# Altium PCB MB1261.PcbDoc (part 5 of 6)
Units mil, origin at the board's own origin, x right, y up, seen from the top; angles counter-clockwise.
Board outline 5119.1 x 2638.79 mil, 6 copper layers (TOP, L2_GND, L3_SIG, L4_VCC, L5_GND, BOTTOM), stack 61 mil thick; 336 components, 316 nets, 1358 pads, 871 vias.
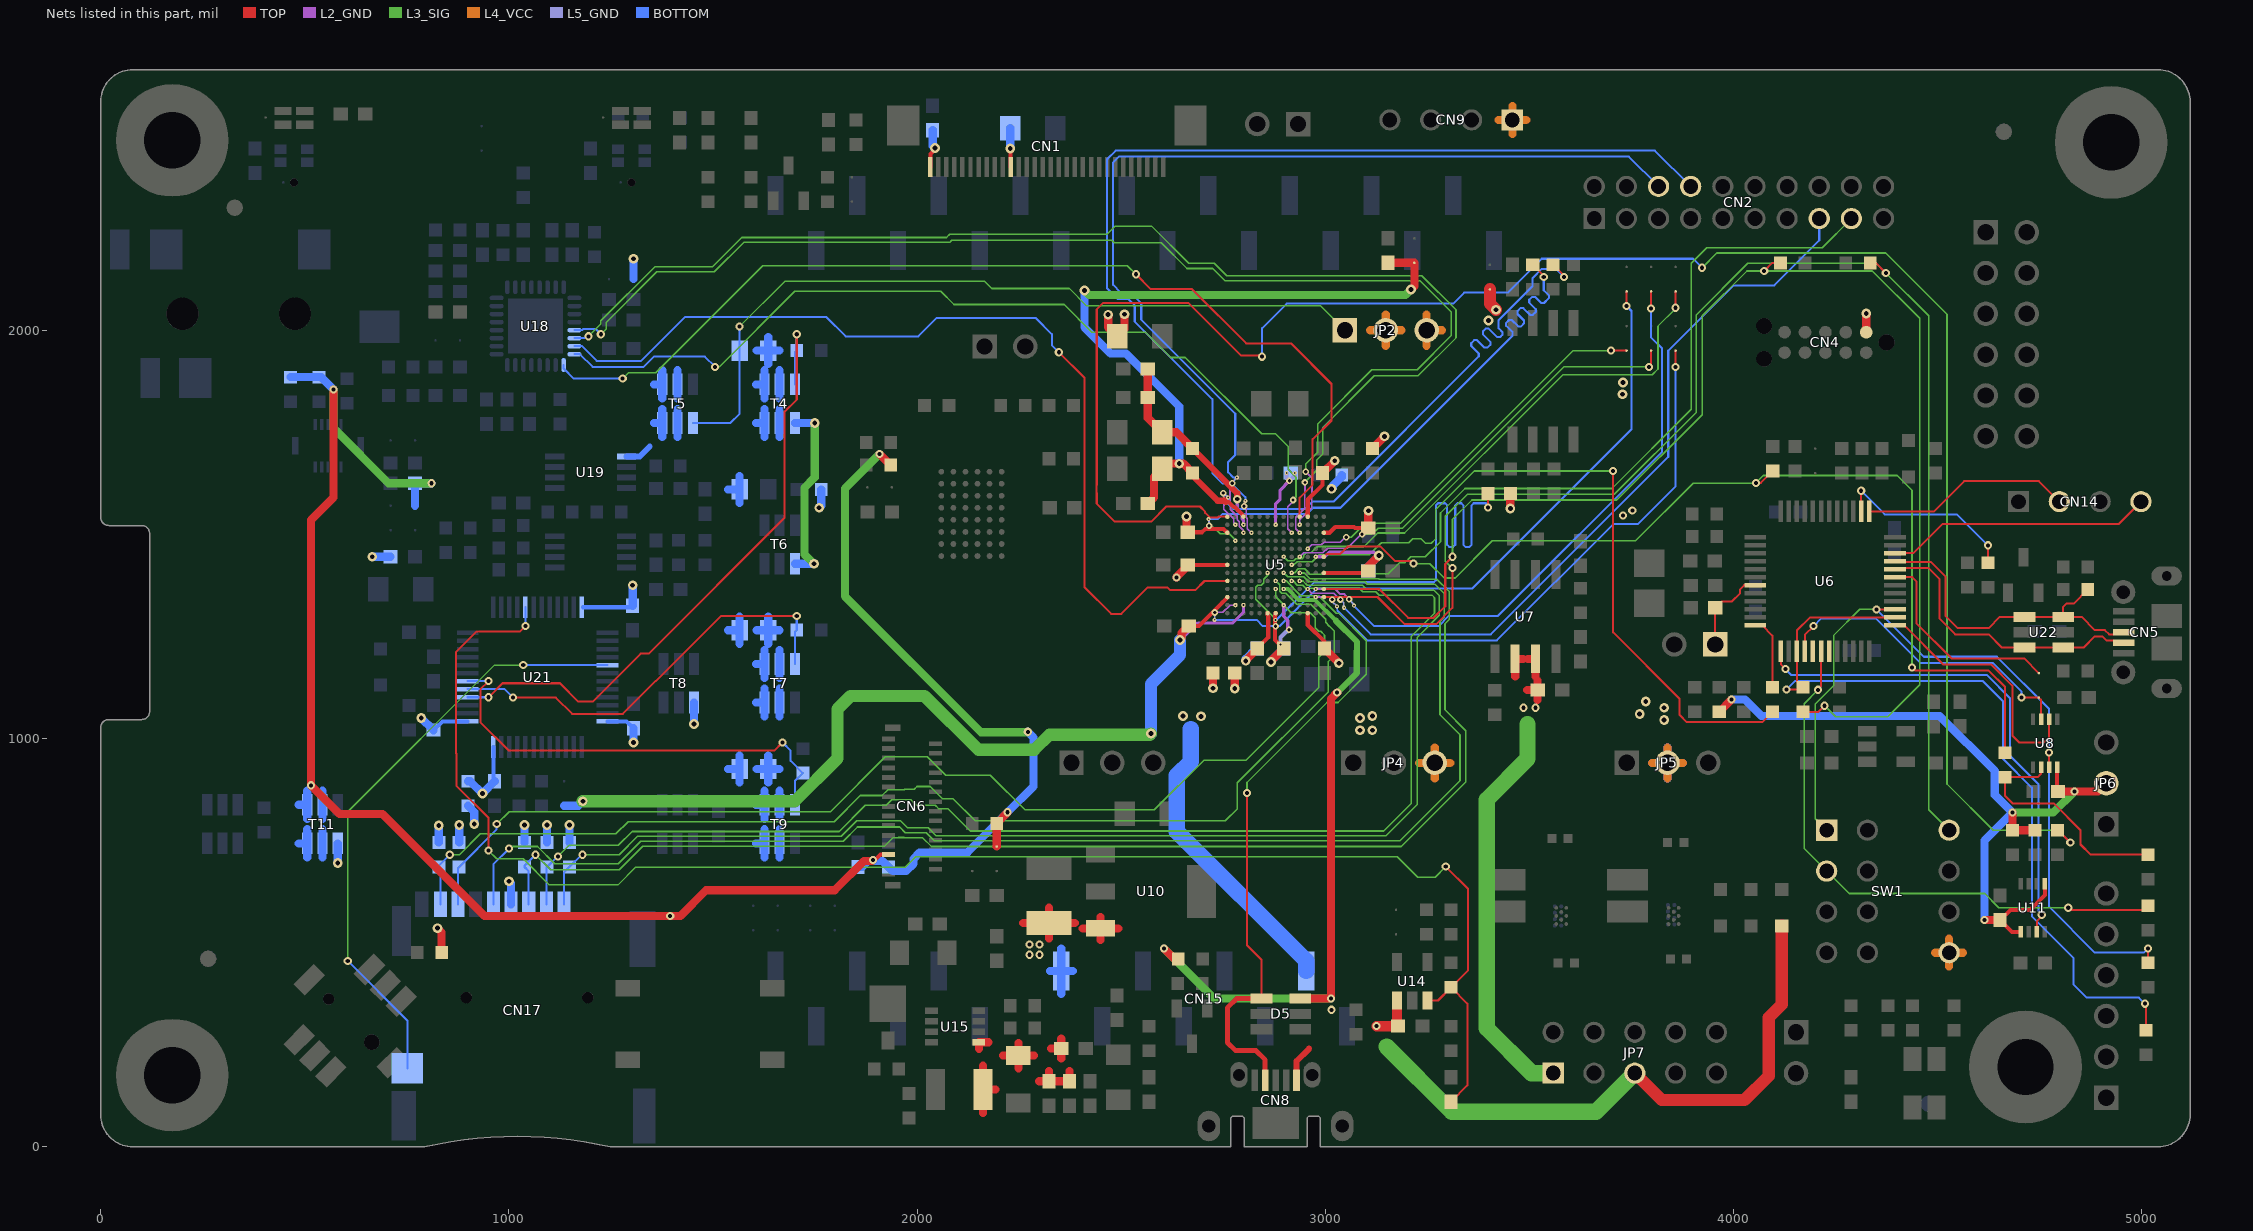
[diagram p9: the nets of this part, all layers, seen from the top]

## Via types
v1: diameter 20, hole 10, TOP to BOTTOM, tented both sides, 317 vias
v2: diameter 24, hole 12, TOP to BOTTOM, tented both sides, 289 vias
v3: diameter 10, hole 4, TOP to L2_GND, tented both sides, 76 vias
v4: diameter 10, hole 4, TOP to L3_SIG, tented both sides, 63 vias
v5: diameter 16, hole 8, L2_GND to L5_GND, tented both sides, 52 vias
v6: diameter 16, hole 8, TOP to BOTTOM, tented both sides, 43 vias
v7: diameter 10, hole 4, L5_GND to BOTTOM, tented both sides, 31 vias

## Nets (pads, with @x,y where several pads share a name; then routed paths per layer and width w, separated by ;. In a path a pad name is that pad's centre, name@x,y a point inside that pad or via, vN(x,y) a via of type N, cw(c..) or ccw(c..) an arc to the next point about the centre after c; other vN are vias at no path point) (continued)
QSPI_BK1_IO3: R6.1 U5.M4 | length 1413.1
  TOP w5: R6.1@3508.1,2160 3535,2133.1 v1(3535,2130)
  L3_SIG w3.5: v5@2721.83,1517.73 2725.27,1517.73 2742,1501 2765,1501 2779.67,1486.33 v4(2779.67,1484.06)
  L3_SIG w4: v5(2715,1521) 2718.56,1521 v5@2721.83,1517.73
  L5_GND w5: v7(2714,1537) 2715,1536 v5(2715,1521)
  BOTTOM w5: v7(2714,1537) 2736,1537 2748.95,1549.95 2955,1549.95 2970.05,1565 3037,1565 3459,1987 3459,1994.74 3442.91,2010.83 3442.91,2017.91 3449.98,2024.98 3457.06,2024.98 3472.48,2009.56 3479.56,2009.56 3486.63,2016.63 3486.63,2023.71 3470.71,2039.63 3470.71,2046.71 3477.78,2053.78 3484.86,2053.78 3501.28,2037.36 3508.36,2037.36 3515.43,2044.43 3515.43,2051.51 3499.51,2067.43 3499.51,2074.51 3506.58,2081.58 3513.66,2081.58 3528.58,2066.66 3535.66,2066.66 3547.35,2078.35 3547.35,2085.43 3535,2097.78 v1(3535,2130)
QSPI_BK1_NCS: R26.1 U5.H8 | length 1374.3
  TOP w5: v1(3398.1,1566) R26.1@3398.1,1600
  L3_SIG w3.5: v4(2858.41,1405.31) 2858.41,1399.42 2848.48,1389.49 2848.48,1381.4 2842.77,1375.69 2834.69,1375.69 2828.98,1369.98 2828.98,1361.9 2829,1341.01 2877.95,1292.06 v5(2877.95,1275)
  L5_GND w3.5: v5(2877.95,1275) v7(2877.95,1290)
  BOTTOM w5: v7(2877.95,1290) 2880,1290 2972.49,1382.49 3266,1382.49 3271,1387.49 3271,1571 3276,1576 3293.18,1576 3298.18,1571 3298.18,1474 3303.18,1469 3313.18,1469 3318.18,1474 3318.18,1571 3323.18,1576 3333.18,1576 3338.18,1571 3338.18,1474 3343.18,1469 3353.18,1469 3358.18,1474 3358.18,1571 3363.18,1576 3393.1,1576 3398.1,1571 v1(3398.1,1566)
QSPI_CLK: R7.1 U5.M2 | length 1411.5
  TOP w5: R7.1@3558.1,2160 3585,2133.1 v1(3585,2130)
  L2_GND w3.5: 2751.67,1570 2751.67,1561.33 2775,1538 2775,1528.1 v3(2779.67,1523.43)
  L2_GND w5: v5(2750,1600.87) 2751.67,1599.2 2751.67,1570
  L5_GND w5: v5(2750,1600.87) 2751.1,1600.87 v7(2761.83,1590.14)
  BOTTOM w5: v7(2761.83,1590.14) 2761.83,1574.17 2774,1562 2950,1562 2968,1580 3020,1580 3375.8,1935.8 3375.8,1942.88 3357.38,1961.3 3357.38,1968.38 3364.45,1975.45 3371.53,1975.45 3389.95,1957.03 3397.03,1957.03 3404.1,1964.1 3404.1,1971.18 3385.68,1989.6 3385.68,1996.68 3392.75,2003.75 3399.83,2003.75 3420.75,1982.83 3427.83,1982.83 3433.46,1988.46 3433.46,1995.54 3424.5,2004.5 3424.5,2025 3507.5,2108 3507.5,2127.5 3530,2150 3565,2150 v1(3585,2130)
SAI1_FSA: U5.D1 U18.1 | length 2492
  TOP w5: v1(2536,2137) 2572.5,2100.5 2673.22,2100.5 2806.22,1967.5 2915.75,1967.5 3015,1868.25 3015,1778.78 2969,1732.78 2969,1621.75 2937.16,1589.91 U5.D1@2937.16,1543.11
  L3_SIG w4: v1(1278.64,1881.36) 1292.89,1895.61 1359.39,1895.61 1621.78,2158 2515,2158 v1(2536,2137)
  BOTTOM w5: U18.1@1133.9,1914.72 1133.9,1906.1 1158.64,1881.36 v1(1278.64,1881.36)
SAI1_MCKA: U5.D3 U18.30 | length 3138.6
  L2_GND w3.5: v3(2937.16,1503.74) 2927.41,1513.49 2927.41,1541.41 2950,1564 2950,1606.9
  L2_GND w5: 2950,1606.9 v5(2950,1627)
  L3_SIG w4: v1(1195,1985) 1225,2015 1225,2023.02 1356.98,2155 1498.02,2155 1570.02,2227 2072,2227 2080,2235 2465,2235 2485,2255 2573.98,2255 2664.98,2164 2728.02,2164 2758.52,2133.5 3236.5,2133.5 3320,2050 3320,1981 3227,1888 3120,1888 2994,1762 2994,1697 2979,1682 2979,1656.82 2953,1630.82 2953,1630 v5(2950,1627)
  BOTTOM w5: U18.30@1160.28,1980.47 1184.53,1980.47 1189.06,1985 v1(1195,1985)
SAI1_SCKA: U5.N9 U18.31 | length 2353
  TOP w5: v1(2347,1946) 2410,1883 2410,1633.25 2409.5,1632.75 2409.5,1589.25 2410,1588.75 2410,1370 2475,1305 2500,1305 2565,1370 2613,1370 2619.75,1363.25 2681.58,1363.25 2703.96,1385.63 U5.N9@2759.99,1385.63
  BOTTOM w5: U18.31@1160.28,1960.79 1179.21,1960.79 1215,1925 1323.78,1925 1430.78,2032 1778,2032 1825,1985 2003,1985 2048,2030 2290,2030 2330,1990 2330,1963 v1(2347,1946)
SAI1_SDA: U5.E3 U18.32 | length 2247.9
  L2_GND w3.5: v3(2917.47,1503.74) 2907.72,1513.49 2907.72,1568.03 2921,1581.31 v5(2921,1584)
  L3_SIG w4: v1(1505,1910) 1515,1910 1700,2095 2058.02,2095 2090.02,2063 2360.04,2063 2428.04,1995 2559.16,1995 2621.16,1933 2656.96,1933 2843.96,1746 2878,1746 2909,1715 2909,1659 2928,1640 2928,1591 v5(2921,1584)
  BOTTOM w5: U18.32@1160.28,1941.1 1173.9,1941.1 1205,1910 1330,1910 1355,1935 1480,1935 v1(1505,1910)
SAI1_SDB: U5.D2 U18.29 | length 3084
  L2_GND w3.5: v3(2937.16,1523.43) 2937.16,1535 2967,1564.84 2967,1595.4
  L2_GND w5: v5(2952,1653) 2967,1638 2967,1595.4
  L3_SIG w4: v1(1225,1990) 1238,2003 1238,2019.04 1361.96,2143 1503,2143 1575,2215 2080,2215 2085,2220 2477,2220 2483,2214 2598,2214 2661,2151 2724,2151 2753.5,2121.5 3231.52,2121.5 3308,2045.02 3308,1985.98 3225.02,1903 3114,1903 2981,1770 2981,1700.98 2952,1671.98 v5(2952,1653)
  BOTTOM w5: U18.29@1160.28,2000.16 1180,2000.16 1182.68,2002.84 1212.16,2002.84 v1(1225,1990)
SH0: R84.2 T4.3 U21.4 | length 1582.5
  TOP w5: v1(950,1100.79) 984.21,1135 1125,1135 1170,1090 1205.01,1090 1322.68,1207.67 1342.67,1207.67 1675,1540 1675,1800 1705,1830 v1(1705,1990)
  BOTTOM w5: U21.4@898.74,1100.79 v1(950,1100.79) ; T4.3@1700.5,1867.24 1700.5,1945.5 R84.2@1705,1950 v1(1705,1990)
SH0_D: R85.2 T4.1 T4.2 T4.5 T4.6 | length 439.3
  BOTTOM w20: 1605.18,1772.76 T4.6@1625.7,1772.76 ; 1605.18,1867.24 T4.1@1625.7,1867.24 ; 1606.98,1950 R85.2@1635,1950 ; 1625.7,1738.24 T4.6@1625.7,1772.76 ; 1625.7,1807.28 T4.6@1625.7,1772.76 ; 1625.7,1832.72 T4.1@1625.7,1867.24 ; 1625.7,1901.76 T4.1@1625.7,1867.24 ; 1635,1916.98 R85.2@1635,1950 ; 1635,1983.02 R85.2@1635,1950 ; 1663.02,1950 R85.2@1635,1950 ; 1663.1,1738.24 T4.5@1663.1,1772.76 1663.1,1807.28 ; 1663.1,1832.72 T4.2@1663.1,1867.24 1663.1,1901.76
SH1: R106.2 T7.3 U21.5 | length 1050.3
  TOP w5: v1(1010,1100) 1115,1100 1155,1060 1278.78,1060 1358.78,1140 1360,1140 1520,1300 v1(1705,1300)
  BOTTOM w5: U21.5@898.74,1120.47 989.53,1120.47 v1(1010,1100) ; T7.3@1700.5,1182.24 1700.5,1260.5 R106.2@1705,1265 v1(1705,1300)
SH1_D: R107.2 T7.1 T7.2 T7.5 T7.6 | length 439.3
  BOTTOM w20: 1605.18,1087.76 T7.6@1625.7,1087.76 ; 1605.18,1182.24 T7.1@1625.7,1182.24 ; 1606.98,1265 R107.2@1635,1265 ; 1625.7,1053.24 T7.6@1625.7,1087.76 ; 1625.7,1122.28 T7.6@1625.7,1087.76 ; 1625.7,1147.72 T7.1@1625.7,1182.24 ; 1625.7,1216.76 T7.1@1625.7,1182.24 ; 1635,1231.98 R107.2@1635,1265 ; 1635,1298.02 R107.2@1635,1265 ; 1663.02,1265 R107.2@1635,1265 ; 1663.1,1053.24 T7.5@1663.1,1087.76 1663.1,1122.28 ; 1663.1,1147.72 T7.2@1663.1,1182.24 1663.1,1216.76
SH2: R110.2 T9.3 U21.6 | length 1118.5
  TOP w5: v1(950,1140.16) 930,1120.16 930,1040 1000,970 1650,970 v1(1670,990)
  BOTTOM w5: U21.6@898.74,1140.16 v1(950,1140.16) ; v1(1670,990) 1690,970 1690,945 R110.2@1720,915 1700.5,895.5 T9.3@1700.5,837.24
SH2_D: R111.2 T9.1 T9.2 T9.5 T9.6 | length 439.3
  BOTTOM w20: 1605.18,742.76 T9.6@1625.7,742.76 ; 1605.18,837.24 T9.1@1625.7,837.24 ; 1606.98,925 R111.2@1635,925 ; 1625.7,708.24 T9.6@1625.7,742.76 ; 1625.7,777.28 T9.6@1625.7,742.76 ; 1625.7,802.72 T9.1@1625.7,837.24 ; 1625.7,871.76 T9.1@1625.7,837.24 ; 1635,891.98 R111.2@1635,925 ; 1635,958.02 R111.2@1635,925 ; 1663.02,925 R111.2@1635,925 ; 1663.1,708.24 T9.5@1663.1,742.76 1663.1,777.28 ; 1663.1,802.72 T9.2@1663.1,837.24 1663.1,871.76
SPI2_CLK: SB9.1 U5.B11 | length 1422.9
  TOP w5: v1(3858.1,1910) SB9.1@3858.1,1950
  L2_GND w4: v3(2976.53,1346.26) 3007.74,1346.26 3014,1340 v5(3017,1340)
  L5_GND w3.5: v5(3017,1340) 3017,1334.88 v7(3028.63,1323.25)
  BOTTOM w3.5: v7(3028.63,1323.25) 3028.63,1313.37 3030,1312
  BOTTOM w5: 3030,1312 3102,1240 3420,1240 3705,1525 3765,1525 3858.1,1618.1 v1(3858.1,1910)
SPI2_MISO: SB5.1 U5.B10 | length 1469.8
  TOP w5: v1(3798.1,2053.1) SB5.1@3798.1,2095
  L2_GND w4: v3(2976.69,1366) 3022,1366
  L2_GND w5: 3022,1366 3024,1366 3036.5,1353.5 3046.5,1353.5 3058,1342 v5(3058,1341)
  L5_GND w3.5: v5(3058,1341) 3070,1329 v7(3070,1325.2)
  BOTTOM w5: v7(3070,1325.2) 3120.2,1275 3277.75,1275 3302.75,1300 3423,1300 3825,1702 3825,1955 3798.1,1981.9 v1(3798.1,2053.1)
SPI2_MISOS: CN2.9 U5.E8 | length 1992.1
  L3_SIG w3.5: v4(2917.47,1405.31) 2924.43,1405.31 2934.18,1415.06 2949.33,1415.06 2962.14,1402.25 3087.38,1402.25 3088.13,1403 3132,1403
  L3_SIG w4: 3132,1403 3153.94,1403 3181.94,1431 3195.15,1431 3209.15,1445 3245,1445 3282,1482 3282,1552 3342,1612 3702,1612 3896,1806 3896,2164 3934,2202 4217.27,2202 CN2.9@4288.69,2273.42
SPI2_MOSI: SB4.1 U5.M12 | length 1646.4
  TOP w5: v1(3738.1,2058.9) SB4.1@3738.1,2095
  L2_GND w3.5: v5@2730,1308.4 2748.4,1308.4 2766.57,1326.57 v3(2779.67,1326.57)
  L2_GND w5: v5(2728.9,1308.4) v5@2730,1308.4
  L5_GND w3.5: v7(2728.9,1290.4) v5(2728.9,1308.4)
  BOTTOM w5: v7(2728.9,1290.4) 2831.6,1290.4 2847,1275 2887.73,1275 2980.22,1367.49 3360.49,1367.49 3750,1757 3750,2047 v1(3738.1,2058.9)
SPI2_MOSIS: CN2.8 U5.C10 | length 1911.1
  L2_GND w3.5: v3(2956.84,1365.94) 2957.06,1365.94 2966.94,1356.06 3020.94,1356.06 v5(3037,1340)
  L5_GND w3.5: v5(3037,1340) 3045,1332 3045,1325.2
  L5_GND w5: 3045,1325.2 3045,1321.1 v7(3046.06,1320.04)
  BOTTOM w5: v7(3046.06,1320.04) 3111.1,1255 3405.37,1255 3840,1689.63 3840,1950 4000,2110 4100,2110 4209.95,2219.95 CN2.8@4209.95,2273.42
STL_USB_DM: CN5.2 U6.32 U22.1 U22.6 | length 716.4
  TOP w4.8: U6.32@4395.36,1414.53 4418.66,1414.53 4421,1416.87 4477.91,1416.87 4504,1390.78 4504,1293.78 4542.78,1255 4625,1255 4657.4,1222.6 U22.6@4712.76,1222.6 U22.1@4807.24,1222.6 4857.6,1222.6 4885,1250 4903.48,1250 4913.78,1239.7 4929.71,1239.7 4935,1234.41 CN5.2@4955.7,1234.41
STL_USB_DP: CN5.3 R37.2 U6.33 U22.3 U22.4 | length 819.8
  TOP w4.8: U6.33@4395.36,1434.21 4418.66,1434.21 4421,1431.87 4484.13,1431.87 4519,1397 4519,1300 4549,1270 4625,1270 4652.4,1297.4 U22.4@4712.76,1297.4 U22.3@4807.24,1297.4 ; R37.2@4868.1,1365 4833.1,1330 4815,1330 4807.24,1322.24 U22.3@4807.24,1297.4 ; CN5.3@4955.7,1260 4935.3,1260 4930,1254.7 4920,1254.7 4909.7,1265 4885,1265 4852.6,1297.4 U22.3@4807.24,1297.4
STLINK_RX: U6.13 U11.7 | length 1238.1
  TOP w5: U6.13@4115.83,1213.74 4115.83,1181.17 v1(4127,1170) ; U11.7@4742.94,525.94 4742.94,551.94 4755,564 v1(4755,568)
  BOTTOM w5: v1(4127,1170) 4142,1155 4621,1155 4677,1099 4677,958 4747,888 4747,578 4755,570 v1(4755,568)
STLINK_TX: R46.1 U6.12 | length 179.2
  TOP w5: U6.12@4052.84,1276.73 4070,1276.73 4095,1251.73 R46.1@4095,1125
STM_JTCK: CN14.2 U6.37 | length 517
  TOP w5: U6.37@4332.37,1556.26 4491.26,1556.26 4565,1630 4748.1,1630 CN14.2@4798.1,1580
STM_JTMS: CN14.4 U6.34 | length 655
  TOP w5: U6.34@4395.36,1453.9 4440.45,1453.9 4511.55,1525 4943.1,1525 CN14.4@4998.1,1580
STM_RST: C24.1 JP10.1 U6.7 | length 216
  TOP w5: JP10.1@3955,1230 C24.1@3955,1320 3970,1335 3995.05,1335 4016,1355.95 4016,1365 4026.16,1375.16 U6.7@4052.84,1375.16
STMOD+_ADC: CN2.13 U5.L3 | length 2458.8
  L2_GND w3.5: 2766.67,1570 2766.67,1561.33 2784.16,1543.84 2784.16,1535.84 2789.61,1530.39 2789.61,1519.39 2799.36,1509.64 v3(2799.36,1503.75)
  L2_GND w5: 2766.67,1570 2766.67,1618.45 2771.5,1623.28 2771.5,1624.5 v5(2772,1625)
  L5_GND w5: v5(2772,1625) 2772,1627.81 v7(2783.25,1639.06)
  BOTTOM w5: v7(2783.25,1639.06) 2774.72,1639.06 2762,1651.78 2762,1677 2779.26,1694.26 2779.26,1795.74 2549,2026 2549,2066 2522,2093 2498,2093 2480,2111 2480,2411 2494,2425 3743.41,2425 CN2.13@3816.25,2352.16
STMOD+_PWM: CN2.14 U5.K3 | length 2567.5
  L2_GND w3.5: v5(2800.79,1568.34) 2806,1563.13 2806,1541.58 2809.11,1538.47 2809.11,1513.67 v3(2819.04,1503.74)
  L5_GND w3.5: v5(2800.79,1568.34) 2800.79,1578.79 v7(2804,1582)
  BOTTOM w5: v7(2804,1582) 2804,1591 2770.94,1624.06 2749,1624.06 2723,1650.06 2723,1830.78 2533,2020.78 2533,2060.78 2517.78,2076 2492,2076 2465,2103 2465,2418.78 2486.22,2440 3807.15,2440 CN2.14@3894.99,2352.16
SWCLK: R4.2 R47.1 U5.A10 | length 3427.3
  TOP w5: U5.A10@2996.21,1365.94 3132.06,1365.94 3203,1295 3265,1295 3293.7,1323.7 3293.7,1427.26 v1(3311.47,1445.03) ; v1(4075,2145) 4095,2165 R4.2@4115,2165 ; R47.1@4170,1065 4208.1,1065 v1(4223.1,1080)
  L3_SIG w4: v1(3311.47,1445.03) 3311.47,1536.47 3359,1584 3714,1584 3923,1793 3923,2035.02 4032.98,2145 v1(4075,2145) 4340,2145 4456,2029 4456,1131 4378,1053 4250.1,1053 v1(4223.1,1080)
SWDIO: R5.2 SW1.8 U5.A11 | length 3553.5
  TOP w5: U5.A11@2996.21,1346.26 3127.74,1346.26 3194,1280 3271.22,1280 3311.2,1319.98 v1(3311.2,1417) ; R5.2@4335,2165 4348,2165 v1(4373,2140)
  L3_SIG w4: v1(3311.2,1417) 3294,1434.2 3294,1544 3348,1598 3708,1598 3909,1799 3909,2038 4035,2164 4349,2164 v1(4373,2140) 4478,2035 4478,825.1 SW1.8@4528.1,775
SWO: R16.2 R51.1 U5.A6 | length 2498.4
  TOP w5: U5.A6@2996.21,1444.69 3003.52,1452 3037,1452 3055.5,1470.5 3134.75,1470.5 3171.25,1434 3210.2,1434 v1(3216.2,1428) ; v1(4055,1626) 4067,1626 R16.2@4096,1655 ; v1(4437,1174) 4445,1166 4625,1166 4665,1126 R51.1@4665,965
  L3_SIG w4: v1(3216.2,1428) 3256,1428 3291,1393 3318,1393 3409,1484 3760,1484 3901,1625 4054,1625 v1(4055,1626) 4073,1644 4401,1644 4437,1608 v1(4437,1174)
SWO_MCU: R51.2 R56.2 U8.6 | length 583.5
  TOP w5: U8.6@4753.26,928.94 4753.26,913.26 4745,905 R51.2@4665,905 4665,859 4683.4,840.6 4784.4,840.6 4850,775 4850,740 4875,715 R56.2@5015,715
T50_4: JP2.1 R85.1 T5.4 | length 1916.5
  L3_SIG w4: v1(1565,2009) 1676,2120 2165,2120 2183,2102 2373,2102 2415,2060 2988.1,2060 JP2.1@3048.1,2000
  BOTTOM w5: T5.4@1450.5,1772.76 1542.76,1772.76 1565,1795 R85.1@1565,1950 v1(1565,2009)
T50_6: R95.1 R107.1 R111.1 T5.1 T5.2 T5.5 T5.6 U19.5 | length 666.6
  BOTTOM w14: U19.5@1287.99,1690.29 1320.29,1690.29 1345,1715
  BOTTOM w20: 1355.18,1772.76 T5.6@1375.7,1772.76 ; 1355.18,1867.24 T5.1@1375.7,1867.24 ; 1375.7,1738.24 T5.6@1375.7,1772.76 ; 1375.7,1807.28 T5.6@1375.7,1772.76 ; 1375.7,1832.72 T5.1@1375.7,1867.24 ; 1375.7,1901.76 T5.1@1375.7,1867.24 ; 1413.1,1738.24 T5.5@1413.1,1772.76 1413.1,1807.28 ; 1413.1,1832.72 T5.2@1413.1,1867.24 1413.1,1901.76 ; 1536.98,925 R111.1@1565,925 ; 1536.98,1265 R107.1@1565,1265 ; 1536.98,1610 R95.1@1565,1610 ; 1565,891.98 R111.1@1565,925 ; 1565,958.02 R111.1@1565,925 ; 1565,1231.98 R107.1@1565,1265 ; 1565,1298.02 R107.1@1565,1265 ; 1565,1576.98 R95.1@1565,1610 ; 1565,1643.02 R95.1@1565,1610
T_JRST: U6.19
T_JTCK: R47.2 R66.2 U6.15 U6.26 | length 2025.4
  TOP w5: v1(4130,1120) 4165,1120 R47.2@4170,1125 4155.2,1139.8 U6.15@4155.2,1213.74 4155.2,1264.2 4187.42,1296.42 U6.26@4395.36,1296.42 ; v1(5008,350) 5010,348 R66.2@5010,285
  BOTTOM w5: v1(4130,1120) 4150,1140 4611,1140 4660,1091 4660,950 4731,879 4731,564 4832.5,462.5 4832.5,397.5 4865,365 4993,365 v1(5008,350)
T_JTDI: U6.17
T_JTDO: SB13.2 U6.16 U8.3 | length 774.2
  TOP w5: U6.16@4174.89,1213.74 4174.89,1253.89 v1(4196,1275) ; v1(4705,1100) SB13.2@4748.1,1100 4753.26,1094.84 U8.3@4753.26,1047.06
  BOTTOM w5: v1(4196,1275) 4215,1294 4348,1294 4457,1185 4635,1185 4705,1115 v1(4705,1100)
T_JTMS: R63.2 SW1.1 U6.27 U8.7 | length 2057
  TOP w5: v1(4350,1316.1) U6.27@4395.36,1316.1 ; U8.7@4772.94,928.94 v1(4772.94,965) ; R63.2@5015,450 v1(5015,485)
  L3_SIG w4: SW1.1@4228.1,775 4200,803.1 4200,1084 4245,1129 4245,1252.2 4308.9,1316.1 v1(4350,1316.1)
  BOTTOM w5: v1(4350,1316.1) 4466.1,1200 4645,1200 4772.94,1072.06 v1(4772.94,965) 4772.94,587.06 4885,475 5005,475 v1(5015,485)
T_NRST: R59.2 SW1.2 U6.18 | length 1409
  TOP w5: v1(4207,1119) 4207,1121 4214.26,1128.26 U6.18@4214.26,1213.74 ; v1(4820,585) 4825,580 5005,580 R59.2@5015,590
  L3_SIG w4: v1(4207,1119) 4173,1085 4173,730.1 SW1.2@4228.1,675 4283.1,620 4615,620 4650,585 v1(4820,585)
T_SWDIO_IN: U6.25 U8.2 | length 617.4
  TOP w5: U6.25@4395.36,1276.73 4418.27,1276.73 4514,1181 4631.22,1181 4683,1129.22 4683,1007 4700,990 4760,990 4772.94,1002.94 U8.2@4772.94,1047.06
T_SWO: SB13.1 U6.31 | length 510.2
  TOP w5: U6.31@4395.36,1394.84 4437.97,1394.84 4448,1384.81 4448,1282 4534,1196 4712.1,1196 SB13.1@4748.1,1160
U5V_ST_LINK: C29.2 JP7.1 U7.6 U7.7 | length 1192.7
  TOP w20: 3465,1151.78 U7.6@3465,1194.8 3484.02,1194.8 ; 3494.48,1118.1 C29.2@3520,1118.1 ; 3495.98,1194.8 U7.7@3515,1194.8 3515,1151.78 ; 3520,1094.08 C29.2@3520,1118.1 ; 3520,1142.12 C29.2@3520,1118.1
  L3_SIG w40: 3495,1035 3495,950 3395,850 3395,290 3505,180 JP7.1@3558.1,180
  other v1: 3485,1075 3515,1075
UART1_RTS: SB6.1 U5.F6 | length 1326.4
  TOP w5: v1(3858.1,2055) SB6.1@3858.1,2095
  L3_SIG w3.5: v4(2897.79,1444.69) 2907.54,1434.94 2922.23,1434.94 2927.79,1440.5 2943.25,1440.5 2947.09,1444.34 2947.09,1448.73 2952.8,1454.44 2964.44,1454.44 2966.25,1456.25
  L3_SIG w4: 2966.25,1456.25 2980,1470 3095.02,1470 3128.02,1503 3193.96,1503 3581.96,1891 3801,1891 3815,1905 3815,2010 3858.1,2053.1 v1(3858.1,2055)
UART1_RX: SB8.1 U5.D6 | length 1090.4
  TOP w5: v1(3792.5,1910) 3798.1,1915.6 SB8.1@3798.1,1950
  L2_GND w3.5: v3(2937.16,1444.69) 2946.91,1454.44 2994.05,1454.44 3005.36,1465.75 3053.36,1465.75 3087.61,1500 v5(3090,1500)
  L3_SIG w3.5: v5(3090,1500) 3114.05,1500 3129.05,1515 3129.7,1515
  L3_SIG w4: 3129.7,1515 3188.98,1515 3583.98,1910 v1(3792.5,1910)
UART1_TX: SB7.1 U5.C5 | length 982.4
  TOP w5: v1(3700,1950) SB7.1@3738.1,1950
  L2_GND w3.5: v3(2956.84,1464.37) 2966.77,1474.3 2990.3,1474.3 2997,1481 3037,1481 3048.79,1492.79 v5(3051.16,1492.79)
  L3_SIG w3.5: v5(3051.16,1492.79) 3051.37,1493 3063,1493 3085,1515 3111.7,1515 3120.7,1524
  L3_SIG w4: 3120.7,1524 3123.7,1527 3184,1527 3607,1950 v1(3700,1950)
USART2_RX: R46.2 U5.E7 | length 1843.7
  TOP w5: v1(3705,1655) 3705,1260 3867.5,1097.5 3867.5,1057.5 3885,1040 4070,1040 R46.2@4095,1065
  L3_SIG w3.5: v4(2917.47,1425) 2922.9,1425 2930.9,1433 2968,1433 2985,1450 3107.89,1450 3132,1474.11
  L3_SIG w4: 3132,1474.11 3135.88,1477.99 3136.97,1477.99 3137.98,1479 3203.98,1479 3213.98,1489 3234.45,1489 3245.45,1478 3259.55,1478 3270,1488.45 3270,1560 3365,1655 v1(3705,1655)
USART2_TX: R55.1 U5.N1 | length 4770.6
  TOP w5: U5.N1@2759.99,1543.11 2738.87,1543.11 2737.26,1541.5 2716.75,1541.5 2705.49,1552.76 2705.49,1555.51 2693,1568 2610,1568 2573,1531 2484,1531 2440,1575 2440,1601.18 2439.5,1601.68 2439.5,1620.32 2440,1620.82 2440,2051 2456,2067 2664.28,2067 2793.78,1937.5 2842.5,1937.5 v1(2845,1935) ; R55.1@4793.1,775 4795,775 v1(4825,745)
  L3_SIG w4: v1(3923,2153) 3959,2189 4373,2189 4523,2039 4523,888 4636,775 4795,775 v1(4825,745)
  BOTTOM w5: v1(2845,1935) 2845,2005 2905,2065 3313,2065 3340,2092 3447,2092 3530,2175 3901,2175 v1(3923,2153)
USB_OTGFS_ID: CN8.4 D5.1 U5.F9 | length 1629
  TOP w5: v1(2808,866) 2808,493 2843.65,457.35 D5.1@2843.65,362.4
  TOP w12: D5.1@2843.65,362.4 2782.4,362.4 2760,340 2760,255 2780,235 2830,235 2852.51,212.49 CN8.4@2852.51,162.8
  L3_SIG w3.5: v4(2897.79,1385.63) 2903.58,1385.63 2939.21,1350 2984,1350 3027.03,1306.97 3030,1306.97
  L3_SIG w4: v1(2808,866) 2808,892 3004,1088 3031,1088 3100,1157 3100,1239.37 3032.4,1306.97 3030,1306.97
USB_OTGFS_OVRCR: LD7.2 R64.2 U14.3 U21.17 | length 3922.4
  TOP w5: v1(950,725) 950,805 871,884 871,962.78 870,963.78 870,1211 921,1262 1027.47,1262 v1(1040.47,1275) ; U14.3@3250.5,357.76 3275.86,357.76 R64.2@3308.1,390 ; v1(3295,686) 3350,631 3350,431.9 R64.2@3308.1,390 ; LD7.2@3308.1,110 3348,149.9 3348,350.1 R64.2@3308.1,390
  L3_SIG w4: v1(950,725) 970,705 1035,705 1099,641 1266.94,641 1309.94,684 1970.88,684 1996.88,710 3176,710 3226,660 3269,660 v1(3295,686)
  BOTTOM w5: v1(1040.47,1275) U21.17@1040.47,1321.26
USB_OTGFS_VBUS: C54.1 CN8.1 D4.1 D5.6 JP7.5 R62.1 U5.F10 U14.1 | length 3394.7
  TOP w15: CN8.1@2929.28,162.8 2929.28,209.28 2960,240
  TOP w20: v1(2605,485) 2630,460 R62.1@2640,460 ; D5.6@2938.13,362.4 v1(3014,362.4) 3014,1097 v1(3029,1112)
  TOP w25: v1(3125,295) C54.1@3178.1,295 3175.7,297.4 U14.1@3175.7,357.76
  TOP w30: JP7.5@3758.1,180 3824.1,114 4027,114 4086,173 4086,316 4118.1,348.1 D4.1@4118.1,540.71
  L3_SIG w10: v4@2899,1365.94 2908.06,1365.94 2934.75,1339.25 2974.75,1339.25 3025.85,1288.15
  L3_SIG w15: 3025.85,1288.15 3077.5,1236.5 3077.5,1214.85 3077,1214.35 3077,1160 v1(3029,1112)

## Text inside footprints (layer, text, board x,y; h text height)
C76: DXF_0731 "1" at 886.4,1840 h16; DXF_0731 "2" at 826.4,1840 h16; DXF_0731 "C0603" at 910,1775 h30; DXF_0731 "CC0603KRX7R7BB104" at 986,1830 h20; DXF_0731 "Approved" at 962,1840 h35; DXF_0731 "Sofer Lib Information" at 976,2117 h25; DXF_0731 "Ref PN: ***" at 946,2067 h25; DXF_0731 "Creat : Sofer Tech" at 946,2027 h25; DXF_0731 "Date  : 2007-05-10" at 946,1987 h25; DXF_0731 "Rev   : B1" at 946,1947 h25; DXF_0731 "Remark: ***" at 946,1907 h25
C77: DXF_0731 "Remark: ***" at 983,1896 h25 r90; DXF_0731 "Rev   : B1" at 943,1896 h25 r90; DXF_0731 "Date  : 2007-05-10" at 903,1896 h25 r90; DXF_0731 "Creat : Sofer Tech" at 863,1896 h25 r90; DXF_0731 "Ref PN: ***" at 823,1896 h25 r90; DXF_0731 "Sofer Lib Information" at 773,1926 h25 r90; DXF_0731 "Approved" at 1050,1912 h35 r90; DXF_0731 "CC0603KRX7R7BB104" at 1060,1936 h20 r90; DXF_0731 "C0603" at 1115,1860 h30 r90; DXF_0731 "2" at 1050,1776.4 h16 r90; DXF_0731 "1" at 1050,1836.4 h16 r90
C78: DXF_0731 "1" at 995,1763.6 h16 r270; DXF_0731 "2" at 995,1823.6 h16 r270; DXF_0731 "C0603" at 930,1740 h30 r270; DXF_0731 "CC0603KRX7R7BB104" at 985,1664 h20 r270; DXF_0731 "Approved" at 995,1688 h35 r270; DXF_0731 "Sofer Lib Information" at 1272,1674 h25 r270; DXF_0731 "Ref PN: ***" at 1222,1704 h25 r270; DXF_0731 "Creat : Sofer Tech" at 1182,1704 h25 r270; DXF_0731 "Date  : 2007-05-10" at 1142,1704 h25 r270; DXF_0731 "Rev   : B1" at 1102,1704 h25 r270; DXF_0731 "Remark: ***" at 1062,1704 h25 r270
C79: DXF_0731 "Remark: ***" at 1012,1704 h25 r270; DXF_0731 "Rev   : B1" at 1052,1704 h25 r270; DXF_0731 "Date  : 2007-05-10" at 1092,1704 h25 r270; DXF_0731 "Creat : Sofer Tech" at 1132,1704 h25 r270; DXF_0731 "Ref PN: ***" at 1172,1704 h25 r270; DXF_0731 "Sofer Lib Information" at 1222,1674 h25 r270; DXF_0731 "Approved" at 945,1688 h35 r270; DXF_0731 "CC0603KRX7R7BB104" at 935,1664 h20 r270; DXF_0731 "C0603" at 880,1740 h30 r270; DXF_0731 "2" at 945,1823.6 h16 r270; DXF_0731 "1" at 945,1763.6 h16 r270
C80: DXF_0731 "Remark: ***" at 644,1608 h25 r180; DXF_0731 "Rev   : B1" at 644,1568 h25 r180; DXF_0731 "Date  : 2007-05-10" at 644,1528 h25 r180; DXF_0731 "Creat : Sofer Tech" at 644,1488 h25 r180; DXF_0731 "Ref PN: ***" at 644,1448 h25 r180; DXF_0731 "Sofer Lib Information" at 614,1398 h25 r180; DXF_0731 "Approved" at 628,1675 h35 r180; DXF_0731 "C0603" at 680,1740 h30 r180; DXF_0731 "2" at 763.6,1675 h16 r180; DXF_0731 "1" at 703.6,1675 h16 r180
C81: DXF_0731 "1" at 2921.4,1650 h16; DXF_0731 "2" at 2861.4,1650 h16; DXF_0731 "C0603" at 2945,1585 h30; DXF_0731 "Approved" at 2997,1650 h35; DXF_0731 "Sofer Lib Information" at 3011,1927 h25; DXF_0731 "Ref PN: ***" at 2981,1877 h25; DXF_0731 "Creat : Sofer Tech" at 2981,1837 h25; DXF_0731 "Date  : 2007-05-10" at 2981,1797 h25; DXF_0731 "Rev   : B1" at 2981,1757 h25; DXF_0731 "Remark: ***" at 2981,1717 h25
C82: DXF_0731 "1" at 776.4,1625 h16; DXF_0731 "2" at 716.4,1625 h16; DXF_0731 "C0603" at 800,1560 h30; DXF_0731 "Approved" at 852,1625 h35; DXF_0731 "Sofer Lib Information" at 866,1902 h25; DXF_0731 "Ref PN: ***" at 836,1852 h25; DXF_0731 "Creat : Sofer Tech" at 836,1812 h25; DXF_0731 "Date  : 2007-05-10" at 836,1772 h25; DXF_0731 "Rev   : B1" at 836,1732 h25; DXF_0731 "Remark: ***" at 836,1692 h25
C83: DXF_0731 "Remark: ***" at 1486,1678.9 h25; DXF_0731 "Rev   : B1" at 1486,1718.9 h25; DXF_0731 "Date  : 2007-05-10" at 1486,1758.9 h25; DXF_0731 "Creat : Sofer Tech" at 1486,1798.9 h25; DXF_0731 "Ref PN: ***" at 1486,1838.9 h25; DXF_0731 "Sofer Lib Information" at 1516,1888.9 h25; DXF_0731 "Approved" at 1502,1611.9 h35; DXF_0731 "C0603" at 1450,1546.9 h30; DXF_0731 "2" at 1366.4,1611.9 h16; DXF_0731 "1" at 1426.4,1611.9 h16
C84: DXF_0731 "1" at 1480,1543.6 h16 r270; DXF_0731 "2" at 1480,1603.6 h16 r270; DXF_0731 "C0603" at 1415,1520 h30 r270; DXF_0731 "CC0603KRX7R7BB104" at 1470,1444 h20 r270; DXF_0731 "Approved" at 1480,1468 h35 r270; DXF_0731 "Sofer Lib Information" at 1757,1454 h25 r270; DXF_0731 "Ref PN: ***" at 1707,1484 h25 r270; DXF_0731 "Creat : Sofer Tech" at 1667,1484 h25 r270; DXF_0731 "Date  : 2007-05-10" at 1627,1484 h25 r270; DXF_0731 "Rev   : B1" at 1587,1484 h25 r270; DXF_0731 "Remark: ***" at 1547,1484 h25 r270
C85: DXF_0731 "1" at 968.6,1576.9 h16 r180; DXF_0731 "2" at 1028.6,1576.9 h16 r180; DXF_0731 "C0603" at 945,1641.9 h30 r180; DXF_0731 "Approved" at 893,1576.9 h35 r180; DXF_0731 "Sofer Lib Information" at 879,1299.9 h25 r180; DXF_0731 "Ref PN: ***" at 909,1349.9 h25 r180; DXF_0731 "Creat : Sofer Tech" at 909,1389.9 h25 r180; DXF_0731 "Date  : 2007-05-10" at 909,1429.9 h25 r180; DXF_0731 "Rev   : B1" at 909,1469.9 h25 r180; DXF_0731 "Remark: ***" at 909,1509.9 h25 r180
C86: DXF_0731 "Remark: ***" at 4038.1,1488 h25 r180; DXF_0731 "Rev   : B1" at 4038.1,1448 h25 r180; DXF_0731 "Date  : 2007-05-10" at 4038.1,1408 h25 r180; DXF_0731 "Creat : Sofer Tech" at 4038.1,1368 h25 r180; DXF_0731 "Ref PN: ***" at 4038.1,1328 h25 r180; DXF_0731 "Sofer Lib Information" at 4008.1,1278 h25 r180; DXF_0731 "Approved" at 4022.1,1555 h35 r180; DXF_0731 "C0603" at 4074.1,1620 h30 r180; DXF_0731 "2" at 4157.7,1555 h16 r180; DXF_0731 "1" at 4097.7,1555 h16 r180
C87: DXF_0731 "1" at 4394.1,1521.4 h16 r90; DXF_0731 "2" at 4394.1,1461.4 h16 r90; DXF_0731 "C0603" at 4459.1,1545 h30 r90; DXF_0731 "Approved" at 4394.1,1597 h35 r90; DXF_0731 "Sofer Lib Information" at 4117.1,1611 h25 r90; DXF_0731 "Ref PN: ***" at 4167.1,1581 h25 r90; DXF_0731 "Creat : Sofer Tech" at 4207.1,1581 h25 r90; DXF_0731 "Date  : 2007-05-10" at 4247.1,1581 h25 r90; DXF_0731 "Rev   : B1" at 4287.1,1581 h25 r90; DXF_0731 "Remark: ***" at 4327.1,1581 h25 r90
C88: DXF_0731 "Remark: ***" at 1293,1551 h25 r90; DXF_0731 "Rev   : B1" at 1253,1551 h25 r90; DXF_0731 "Date  : 2007-05-10" at 1213,1551 h25 r90; DXF_0731 "Creat : Sofer Tech" at 1173,1551 h25 r90; DXF_0731 "Ref PN: ***" at 1133,1551 h25 r90; DXF_0731 "Sofer Lib Information" at 1083,1581 h25 r90; DXF_0731 "Approved" at 1360,1567 h35 r90; DXF_0731 "C0603" at 1425,1515 h30 r90; DXF_0731 "2" at 1360,1431.4 h16 r90; DXF_0731 "1" at 1360,1491.4 h16 r90
C89: DXF_0731 "Remark: ***" at 3039,1343 h25 r180; DXF_0731 "Rev   : B1" at 3039,1303 h25 r180; DXF_0731 "Date  : 2007-05-10" at 3039,1263 h25 r180; DXF_0731 "Creat : Sofer Tech" at 3039,1223 h25 r180; DXF_0731 "Ref PN: ***" at 3039,1183 h25 r180; DXF_0731 "Sofer Lib Information" at 3009,1133 h25 r180; DXF_0731 "Approved" at 3023,1410 h35 r180; DXF_0731 "C0603" at 3075,1475 h30 r180; DXF_0731 "2" at 3158.6,1410 h16 r180; DXF_0731 "1" at 3098.6,1410 h16 r180
C90: DXF_0731 "Remark: ***" at 1294,1298 h25 r180; DXF_0731 "Rev   : B1" at 1294,1258 h25 r180; DXF_0731 "Date  : 2007-05-10" at 1294,1218 h25 r180; DXF_0731 "Creat : Sofer Tech" at 1294,1178 h25 r180; DXF_0731 "Ref PN: ***" at 1294,1138 h25 r180; DXF_0731 "Sofer Lib Information" at 1264,1088 h25 r180; DXF_0731 "Approved" at 1278,1365 h35 r180; DXF_0731 "C0603" at 1330,1430 h30 r180; DXF_0731 "2" at 1413.6,1365 h16 r180; DXF_0731 "1" at 1353.6,1365 h16 r180
C91: DXF_0731 "1" at 686.4,1365 h16; DXF_0731 "2" at 796.4,1365 h16
C92: DXF_0731 "1" at 4054.1,1303.6 h16 r270; DXF_0731 "2" at 4054.1,1363.6 h16 r270; DXF_0731 "C0603" at 3989.1,1280 h30 r270; DXF_0731 "Approved" at 4054.1,1228 h35 r270; DXF_0731 "Sofer Lib Information" at 4331.1,1214 h25 r270; DXF_0731 "Ref PN: ***" at 4281.1,1244 h25 r270; DXF_0731 "Creat : Sofer Tech" at 4241.1,1244 h25 r270; DXF_0731 "Date  : 2007-05-10" at 4201.1,1244 h25 r270; DXF_0731 "Rev   : B1" at 4161.1,1244 h25 r270; DXF_0731 "Remark: ***" at 4121.1,1244 h25 r270
C93: DXF_0731 "Remark: ***" at 1236.1,1391 h25 r90; DXF_0731 "Rev   : B1" at 1196.1,1391 h25 r90; DXF_0731 "Date  : 2007-05-10" at 1156.1,1391 h25 r90; DXF_0731 "Creat : Sofer Tech" at 1116.1,1391 h25 r90; DXF_0731 "Ref PN: ***" at 1076.1,1391 h25 r90; DXF_0731 "Sofer Lib Information" at 1026.1,1421 h25 r90; DXF_0731 "Approved" at 1303.1,1407 h35 r90; DXF_0731 "C0603" at 1368.1,1355 h30 r90; DXF_0731 "2" at 1303.1,1271.4 h16 r90; DXF_0731 "1" at 1303.1,1331.4 h16 r90
C94: DXF_0731 "Remark: ***" at 881,1327 h25; DXF_0731 "Rev   : B1" at 881,1367 h25; DXF_0731 "Date  : 2007-05-10" at 881,1407 h25; DXF_0731 "Creat : Sofer Tech" at 881,1447 h25; DXF_0731 "Ref PN: ***" at 881,1487 h25; DXF_0731 "Sofer Lib Information" at 911,1537 h25; DXF_0731 "Approved" at 897,1260 h35; DXF_0731 "C0603" at 845,1195 h30; DXF_0731 "2" at 761.4,1260 h16; DXF_0731 "1" at 821.4,1260 h16
C95: DXF_0731 "1" at 2951.7,1225 h16 r180; DXF_0731 "2" at 3011.7,1225 h16 r180; DXF_0731 "C0603" at 2928.1,1290 h30 r180; DXF_0731 "Approved" at 2876.1,1225 h35 r180; DXF_0731 "Sofer Lib Information" at 2862.1,948 h25 r180; DXF_0731 "Ref PN: ***" at 2892.1,998 h25 r180; DXF_0731 "Creat : Sofer Tech" at 2892.1,1038 h25 r180; DXF_0731 "Date  : 2007-05-10" at 2892.1,1078 h25 r180; DXF_0731 "Rev   : B1" at 2892.1,1118 h25 r180; DXF_0731 "Remark: ***" at 2892.1,1158 h25 r180
C96: DXF_0731 "Remark: ***" at 4410.1,1282 h25; DXF_0731 "Rev   : B1" at 4410.1,1322 h25; DXF_0731 "Date  : 2007-05-10" at 4410.1,1362 h25; DXF_0731 "Creat : Sofer Tech" at 4410.1,1402 h25; DXF_0731 "Ref PN: ***" at 4410.1,1442 h25; DXF_0731 "Sofer Lib Information" at 4440.1,1492 h25; DXF_0731 "Approved" at 4426.1,1215 h35; DXF_0731 "C0603" at 4374.1,1150 h30; DXF_0731 "2" at 4290.5,1215 h16; DXF_0731 "1" at 4350.5,1215 h16
C97: DXF_0731 "Remark: ***" at 2831.1,1286 h25 r90; DXF_0731 "Rev   : B1" at 2791.1,1286 h25 r90; DXF_0731 "Date  : 2007-05-10" at 2751.1,1286 h25 r90; DXF_0731 "Creat : Sofer Tech" at 2711.1,1286 h25 r90; DXF_0731 "Ref PN: ***" at 2671.1,1286 h25 r90; DXF_0731 "Sofer Lib Information" at 2621.1,1316 h25 r90; DXF_0731 "Approved" at 2898.1,1302 h35 r90; DXF_0731 "C0603" at 2963.1,1250 h30 r90; DXF_0731 "2" at 2898.1,1166.4 h16 r90; DXF_0731 "1" at 2898.1,1226.4 h16 r90
C98: DXF_0731 "1" at 2833.1,1226.4 h16 r90; DXF_0731 "2" at 2833.1,1166.4 h16 r90; DXF_0731 "C0603" at 2898.1,1250 h30 r90; DXF_0731 "Approved" at 2833.1,1302 h35 r90; DXF_0731 "Sofer Lib Information" at 2556.1,1316 h25 r90; DXF_0731 "Ref PN: ***" at 2606.1,1286 h25 r90; DXF_0731 "Creat : Sofer Tech" at 2646.1,1286 h25 r90; DXF_0731 "Date  : 2007-05-10" at 2686.1,1286 h25 r90; DXF_0731 "Rev   : B1" at 2726.1,1286 h25 r90; DXF_0731 "Remark: ***" at 2766.1,1286 h25 r90
C99: DXF_0731 "1" at 815,1206.4 h16 r90; DXF_0731 "2" at 815,1146.4 h16 r90; DXF_0731 "C0603" at 880,1230 h30 r90; DXF_0731 "CC0603KRX7R7BB104" at 825,1306 h20 r90; DXF_0731 "Approved" at 815,1282 h35 r90; DXF_0731 "Sofer Lib Information" at 538,1296 h25 r90; DXF_0731 "Ref PN: ***" at 588,1266 h25 r90; DXF_0731 "Creat : Sofer Tech" at 628,1266 h25 r90; DXF_0731 "Date  : 2007-05-10" at 668,1266 h25 r90; DXF_0731 "Rev   : B1" at 708,1266 h25 r90; DXF_0731 "Remark: ***" at 748,1266 h25 r90
C100: DXF_0731 "1" at 3089.5,1145 h16 r180; DXF_0731 "2" at 2979.5,1145 h16 r180
C101: DXF_0731 "1" at 1305,1018.6 h16 r270; DXF_0731 "2" at 1305,1078.6 h16 r270; DXF_0731 "C0603" at 1240,995 h30 r270; DXF_0731 "Approved" at 1305,943 h35 r270; DXF_0731 "Sofer Lib Information" at 1582,929 h25 r270; DXF_0731 "Ref PN: ***" at 1532,959 h25 r270; DXF_0731 "Creat : Sofer Tech" at 1492,959 h25 r270; DXF_0731 "Date  : 2007-05-10" at 1452,959 h25 r270; DXF_0731 "Rev   : B1" at 1412,959 h25 r270; DXF_0731 "Remark: ***" at 1372,959 h25 r270
C102: DXF_0731 "1" at 821.4,1020 h16; DXF_0731 "2" at 761.4,1020 h16; DXF_0731 "C0603" at 845,955 h30; DXF_0731 "Approved" at 897,1020 h35; DXF_0731 "Sofer Lib Information" at 911,1297 h25; DXF_0731 "Ref PN: ***" at 881,1247 h25; DXF_0731 "Creat : Sofer Tech" at 881,1207 h25; DXF_0731 "Date  : 2007-05-10" at 881,1167 h25; DXF_0731 "Rev   : B1" at 881,1127 h25; DXF_0731 "Remark: ***" at 881,1087 h25
C103: DXF_0731 "1" at 965,901.4 h16 r90; DXF_0731 "2" at 965,841.4 h16 r90; DXF_0731 "C0603" at 1030,925 h30 r90; DXF_0731 "Approved" at 965,977 h35 r90; DXF_0731 "Sofer Lib Information" at 688,991 h25 r90; DXF_0731 "Ref PN: ***" at 738,961 h25 r90; DXF_0731 "Creat : Sofer Tech" at 778,961 h25 r90; DXF_0731 "Date  : 2007-05-10" at 818,961 h25 r90; DXF_0731 "Rev   : B1" at 858,961 h25 r90; DXF_0731 "Remark: ***" at 898,961 h25 r90
C104: DXF_0731 "1" at 1855,678.6 h16 r270; DXF_0731 "2" at 1855,738.6 h16 r270; DXF_0731 "C0603" at 1790,655 h30 r270; DXF_0731 "Approved" at 1855,603 h35 r270; DXF_0731 "Sofer Lib Information" at 2132,589 h25 r270; DXF_0731 "Ref PN: ***" at 2082,619 h25 r270; DXF_0731 "Creat : Sofer Tech" at 2042,619 h25 r270; DXF_0731 "Date  : 2007-05-10" at 2002,619 h25 r270; DXF_0731 "Rev   : B1" at 1962,619 h25 r270; DXF_0731 "Remark: ***" at 1922,619 h25 r270
C105: DXF_0731 "Remark: ***" at 4672,1195 h25 r180; DXF_0731 "Rev   : B1" at 4672,1155 h25 r180; DXF_0731 "Date  : 2007-05-10" at 4672,1115 h25 r180; DXF_0731 "Creat : Sofer Tech" at 4672,1075 h25 r180; DXF_0731 "Ref PN: ***" at 4672,1035 h25 r180; DXF_0731 "Sofer Lib Information" at 4642,985 h25 r180; DXF_0731 "Approved" at 4656,1262 h35 r180; DXF_0731 "C0603" at 4708,1327 h30 r180; DXF_0731 "2" at 4791.6,1262 h16 r180; DXF_0731 "1" at 4731.6,1262 h16 r180
CN1: DXF_0731 "30" at 2019.43,2400 h16 r180; DXF_0731 "20" at 2216.28,2400 h16 r180; DXF_0731 "19" at 2235.97,2400 h16 r180; DXF_0731 "25" at 2117.86,2400 h16 r180; DXF_0731 "15" at 2314.71,2400 h16 r180; DXF_0731 "26" at 2098.17,2400 h16 r180; DXF_0731 "17" at 2275.34,2400 h16 r180; DXF_0731 "27" at 2078.49,2400 h16 r180; DXF_0731 "28" at 2058.8,2400 h16 r180; DXF_0731 "31" at 2656.84,2501.38 h16 r180; DXF_0731 "3" at 2557.33,2400 h16 r180; DXF_0731 "2" at 2577.01,2400 h16 r180; DXF_0731 "12" at 2373.76,2400 h16 r180; DXF_0731 "18" at 2255.65,2400 h16 r180; DXF_0731 "13" at 2354.08,2400 h16 r180; DXF_0731 "24" at 2137.54,2400 h16 r180; DXF_0731 "22" at 2176.91,2400 h16 r180; DXF_0731 "32" at 1952.9,2501.38 h16 r180; DXF_0731 "6" at 2498.27,2400 h16 r180; DXF_0731 "8" at 2458.9,2400 h16 r180; DXF_0731 "7" at 2478.59,2400 h16 r180; DXF_0731 "10" at 2413.13,2400 h16 r180; DXF_0731 "11" at 2393.45,2400 h16 r180; DXF_0731 "9" at 2439.22,2400 h16 r180; DXF_0731 "21" at 2196.6,2400 h16 r180; DXF_0731 "5" at 2517.96,2400 h16 r180; DXF_0731 "4" at 2537.64,2400 h16 r180; DXF_0731 "1" at 2596.7,2400 h16 r180; DXF_0731 "14" at 2334.39,2400 h16 r180; DXF_0731 "16" at 2295.02,2400 h16 r180; DXF_0731 "23" at 2157.23,2400 h16 r180; DXF_0731 "29" at 2039.12,2400 h16 r180; DXF_0731 "Sofer Lib Information" at 2489.1,2004.34 h25 r180; DXF_0731 "Ref PN: FPU330ZH-BT1D3-CA" at 2459.1,2054.34 h25 r180; DXF_0731 "Creat : Yuki" at 2459.1,2094.34 h25 r180; DXF_0731 "Date  : 2016-04-06" at 2459.1,2134.34 h25 r180; DXF_0731 "Rev   : A1" at 2459.1,2174.34 h25 r180; DXF_0731 "Remark: D031-021A1" at 2459.1,2214.34 h25 r180; DXF_0731 "0.5" at 2401.1,2363 h16 r180; DXF_0731 "14.5" at 2367.1,2328 h16 r180; DXF_0731 "19.4" at 2367.1,2298 h16 r180; DXF_0731 "2.3" at 1896.1,2468 h16 r180; DXF_0731 "5.2" at 1866.1,2533 h16 r180; DXF_0731 "5.9" at 1821.1,2533 h16 r180; Top Overlay "30" at 2053.1,2365 h25 r180
CN2: DXF_0731 "14" at 3882.19,2352.16 h16 r180; DXF_0731 "13" at 3803.45,2352.16 h16 r180; DXF_0731 "1" at 3652.37,2273.42 h16 r180; DXF_0731 "12" at 3724.71,2352.16 h16 r180; DXF_0731 "8" at 4203.55,2273.42 h16 r180; DXF_0731 "9" at 4282.29,2273.42 h16 r180; DXF_0731 "10" at 4354.63,2273.42 h16 r180; DXF_0731 "7" at 4124.81,2273.42 h16 r180; DXF_0731 "17" at 4118.41,2352.16 h16 r180; DXF_0731 "20" at 4354.63,2352.16 h16 r180; DXF_0731 "18" at 4197.15,2352.16 h16 r180; DXF_0731 "19" at 4275.89,2352.16 h16 r180; DXF_0731 "4" at 3888.59,2273.42 h16 r180; DXF_0731 "11" at 3645.97,2352.16 h16 r180; DXF_0731 "2" at 3731.11,2273.42 h16 r180; DXF_0731 "3" at 3809.85,2273.42 h16 r180; DXF_0731 "5" at 3967.33,2273.42 h16 r180; DXF_0731 "16" at 4039.67,2352.16 h16 r180; DXF_0731 "15" at 3960.93,2352.16 h16 r180; DXF_0731 "6" at 4046.07,2273.42 h16 r180; DXF_0731 "Sofer Lib Information" at 4201.54,1841.42 h25 r180; DXF_0731 "Ref PN: SQT-110-F-D-RA" at 4171.54,1891.42 h25 r180; DXF_0731 "Creat : Yuki" at 4171.54,1931.42 h25 r180; DXF_0731 "Date  : 2016-03-29" at 4171.54,1971.42 h25 r180; DXF_0731 "Rev   : A1" at 4171.54,2011.42 h25 r180; DXF_0731 "Remark: D031-021A1" at 4171.54,2051.42 h25 r180; DXF_0731 "NO" at 3985.1,2312.79 h35 r180; DXF_0731 "2" at 4016.54,2166.42 h16 r180; DXF_0731 "18" at 4027.54,2121.42 h16 r180; DXF_0731 "2" at 3496.54,2321.42 h16 r180; DXF_0731 "1.27" at 3514.54,2391.42 h16 r180; DXF_0731 "6.35" at 3514.54,2521.42 h16 r180; DXF_0731 "20.3" at 4027.1,2685.79 h16 r180; Top Overlay "1" at 3590,2265 h25; Top Overlay "11" at 3570,2345 h25; Top Overlay "20" at 4425,2340 h25; Top Overlay "10" at 4420,2270 h25
CN3: DXF_0731 "12" at 4705.3,1740 h16 r90; DXF_0731 "6" at 4611.7,1740 h16 r90; DXF_0731 "1" at 4611.7,2240 h16 r90; DXF_0731 "8" at 4711.7,2140 h16 r90; DXF_0731 "4" at 4611.7,1940 h16 r90; DXF_0731 "9" at 4711.7,2040 h16 r90; DXF_0731 "10" at 4705.3,1940 h16 r90; DXF_0731 "7" at 4716.7,2240 h16 r90; DXF_0731 "2" at 4611.7,2140 h16 r90; DXF_0731 "3" at 4611.7,2040 h16 r90; DXF_0731 "5" at 4611.7,1840 h16 r90; DXF_0731 "11" at 4705.3,1840 h16 r90; DXF_0731 "Sofer Lib Information" at 4311.1,1759 h25 r90; DXF_0731 "Ref PN: SSW-106-02-F-D-RA" at 4361.1,1789 h25 r90; DXF_0731 "Creat : Yuki" at 4401.1,1789 h25 r90; DXF_0731 "Date  : 2016-04-05" at 4441.1,1789 h25 r90; DXF_0731 "Rev   : A1" at 4481.1,1789 h25 r90; DXF_0731 "Remark: D031-021A1" at 4521.1,1789 h25 r90; DXF_0731 "NO" at 4915.1,2000 h35 r90; Top Overlay "6" at 4628.1,1680 h25 r90; Top Overlay "12" at 4728.1,1660 h25 r90; Top Overlay "7" at 4733.1,2285 h25 r90
CN4: DXF_0731 "6.731" at 3905,1978 h16 r180; DXF_0731 "2.03" at 3964,1978 h16 r180; DXF_0731 "1.015" at 4625,1958 h16 r180; DXF_0731 "0.635" at 4560,1963 h16 r180; DXF_0731 "7.62" at 4249,1788 h16 r180; DXF_0731 "1.27" at 4244,1828 h16 r180; DXF_0731 "1.27" at 4379,1828 h16 r180; DXF_0731 "12.446" at 4232,1724.26 h16 r180; DXF_0731 "Remark: D031-021A1" at 4416,1633 h25 r180; DXF_0731 "Rev   : A1" at 4416,1593 h25 r180; DXF_0731 "Date  : 2016-04-08" at 4416,1553 h25 r180; DXF_0731 "Creat : Ziv" at 4416,1513 h25 r180; DXF_0731 "Ref PN: TC2050-IDC-NL" at 4416,1473 h25 r180; DXF_0731 "Sofer Lib Information" at 4446,1423 h25 r180; DXF_0731 "TC2050-IDC-FP" at 4074,2165 h30 r180; DXF_0731 "5" at 4118.6,1995 h16 r180; DXF_0731 "3" at 4218.6,1995 h16 r180; DXF_0731 "1" at 4318.6,1995 h16 r180; DXF_0731 "7" at 4168.6,1945 h16 r180; DXF_0731 "8" at 4218.6,1945 h16 r180; DXF_0731 "9" at 4268.6,1945 h16 r180; DXF_0731 "2" at 4268.6,1995 h16 r180; DXF_0731 "4" at 4168.6,1995 h16 r180; DXF_0731 "6" at 4118.6,1945 h16 r180; DXF_0731 "10" at 4312.2,1945 h16 r180
CN5: DXF_0731 "4" at 4959.97,1285.59 h16 r90; DXF_0731 "1" at 4959.97,1208.82 h16 r90; DXF_0731 "10" at 5058.88,1220.63 h16 r90; DXF_0731 "5" at 4959.97,1311.18 h16 r90; DXF_0731 "8" at 4958.98,1161.57 h16 r90; DXF_0731 "6" at 5065.28,1122.2 h16 r90; DXF_0731 "9" at 4958.98,1358.43 h16 r90; DXF_0731 "7" at 5065.28,1397.8 h16 r90; DXF_0731 "11" at 5058.88,1299.37 h16 r90; DXF_0731 "2" at 4959.97,1234.41 h16 r90; DXF_0731 "3" at 4959.97,1260 h16 r90; DXF_0731 "Sofer Lib Information" at 4511.65,1041 h25 r90; DXF_0731 "Ref PN: MOLEX_105017-001" at 4561.65,1071 h25 r90; DXF_0731 "Creat : Yuki" at 4601.65,1071 h25 r90; DXF_0731 "Date  : 2014-07-16" at 4641.65,1071 h25 r90; DXF_0731 "Rev   : A1" at 4681.65,1071 h25 r90; DXF_0731 "Remark: D031-012A1" at 4721.65,1071 h25 r90; DXF_0731 "MICRO_USB_B_105017" at 5036.55,1285 h30 r90; DXF_0731 "NO" at 5050.65,1260 h35 r90; DXF_0731 "0.65" at 4901.65,1266 h16 r90; DXF_0731 "7.5" at 4801.65,1242 h16 r90; DXF_0731 "5" at 4861.65,1244 h16 r90; DXF_0731 "7" at 4826.65,1244 h16 r90; DXF_0731 "2" at 5191.65,1254 h16 r90; DXF_0731 "5.4" at 5066.65,1507 h16 r90; DXF_0731 "2.7" at 5016.65,1457 h16 r90
CN6: DXF_0731 "24" at 2031.64,727.03 h16 r270; DXF_0731 "26" at 2031.64,703.41 h16 r270; DXF_0731 "28" at 2031.64,679.79 h16 r270; DXF_0731 "29" at 1917.46,667.98 h16 r270; DXF_0731 "25" at 1917.46,715.22 h16 r270; DXF_0731 "21" at 1917.46,762.46 h16 r270; DXF_0731 "20" at 2031.64,774.27 h16 r270; DXF_0731 "19" at 1917.46,786.09 h16 r270; DXF_0731 "23" at 1917.46,738.84 h16 r270; DXF_0731 "2" at 2038.04,986.87 h16 r270; DXF_0731 "22" at 2031.64,750.65 h16 r270; DXF_0731 "27" at 1917.46,691.6 h16 r270; DXF_0731 "1" at 1923.86,998.68 h16 r270; DXF_0731 "18" at 2031.64,797.9 h16 r270; DXF_0731 "17" at 1917.46,809.71 h16 r270; DXF_0731 "16" at 2031.64,821.52 h16 r270; DXF_0731 "15" at 1917.46,833.33 h16 r270; DXF_0731 "14" at 2031.64,845.14 h16 r270; DXF_0731 "13" at 1917.46,856.95 h16 r270; DXF_0731 "12" at 2031.64,868.76 h16 r270; DXF_0731 "11" at 1917.46,880.57 h16 r270; DXF_0731 "10" at 2031.64,892.39 h16 r270; DXF_0731 "9" at 1923.86,904.2 h16 r270; DXF_0731 "8" at 2038.04,916.01 h16 r270; DXF_0731 "7" at 1923.86,927.82 h16 r270; DXF_0731 "6" at 2038.04,939.63 h16 r270; DXF_0731 "5" at 1923.86,951.44 h16 r270; DXF_0731 "4" at 2038.04,963.25 h16 r270; DXF_0731 "3" at 1923.86,975.06 h16 r270; DXF_0731 "FH26-29S-0R3SHW" at 1610.26,855.93 h30 r270; DXF_0731 "Sofer Lib Information" at 2366.44,1100.12 h25 r270; DXF_0731 "Ref PN: HRS FH26-29S-0.3SHW" at 2316.44,1070.12 h25 r270; DXF_0731 "Creat : Yuki" at 2276.44,1070.12 h25 r270; DXF_0731 "Date  : 2015-11-06" at 2236.44,1070.12 h25 r270; DXF_0731 "Rev   : A1" at 2196.44,1070.12 h25 r270; DXF_0731 "Remark: D031-015A2" at 2156.44,1070.12 h25 r270; DXF_0731 "OK" at 1939.35,828.33 h35 r270; Top Overlay "28" at 2072.35,693.33 h25 r270; Top Overlay "29" at 1870,695 h25 r270; Top Overlay "2" at 2070,1005 h25 r270
CN7: DXF_0731 "6" at 4912.03,620 h16 r90; DXF_0731 "5" at 4912.03,519.67 h16 r90; DXF_0731 "1" at 4912.03,119.67 h16 r90; DXF_0731 "4" at 4912.03,419.67 h16 r90; DXF_0731 "2" at 4912.03,219.67 h16 r90; DXF_0731 "3" at 4912.03,319.67 h16 r90; DXF_0731 "HDR_1X6_2R54" at 4889.1,365 h30 r90; DXF_0731 "Sofer Lib Information" at 4581.1,144 h25 r90; DXF_0731 "Ref PN: 313106S141" at 4631.1,174 h25 r90; DXF_0731 "Creat : Ziv" at 4671.1,174 h25 r90; DXF_0731 "Date  : 2015-06-08" at 4711.1,174 h25 r90; DXF_0731 "Rev   : A1" at 4751.1,174 h25 r90; DXF_0731 "Remark: D031-015A1" at 4791.1,174 h25 r90; DXF_0731 "NO" at 4895.1,365 h35 r90; Top Overlay "1" at 4900,40 h30 r90; Top Overlay "6" at 4900,675 h30 r90
CN8: DXF_0731 "3" at 2871.7,152.13 h16; DXF_0731 "2" at 2897.29,152.13 h16; DXF_0731 "1" at 2922.88,152.13 h16; DXF_0731 "4" at 2846.11,152.13 h16; DXF_0731 "10" at 2865.3,46.82 h16; DXF_0731 "5" at 2820.52,152.13 h16; DXF_0731 "8" at 2708.31,39.73 h16; DXF_0731 "9" at 3035.09,39.73 h16; DXF_0731 "7" at 2782.13,164.93 h16; DXF_0731 "6" at 2961.27,164.93 h16; DXF_0731 "Sofer Lib Information" at 2677.1,506.02 h25; DXF_0731 "Ref PN: MOLEX 47590001" at 2707.1,456.02 h25; DXF_0731 "Creat : Yuki" at 2707.1,416.02 h25; DXF_0731 "Date  : 2011-10-18" at 2707.1,376.02 h25; DXF_0731 "Rev   : A1" at 2707.1,336.02 h25; DXF_0731 "Remark: D031-005A1" at 2707.1,296.02 h25; DXF_0731 "MOLEX_47590001" at 2725.1,-172.2 h30; DXF_0731 "OK" at 2865.1,46.8 h35; Top Overlay "5" at 2818.1,202.8 h25